# KiCad board dcdc0603.kicad_pcb
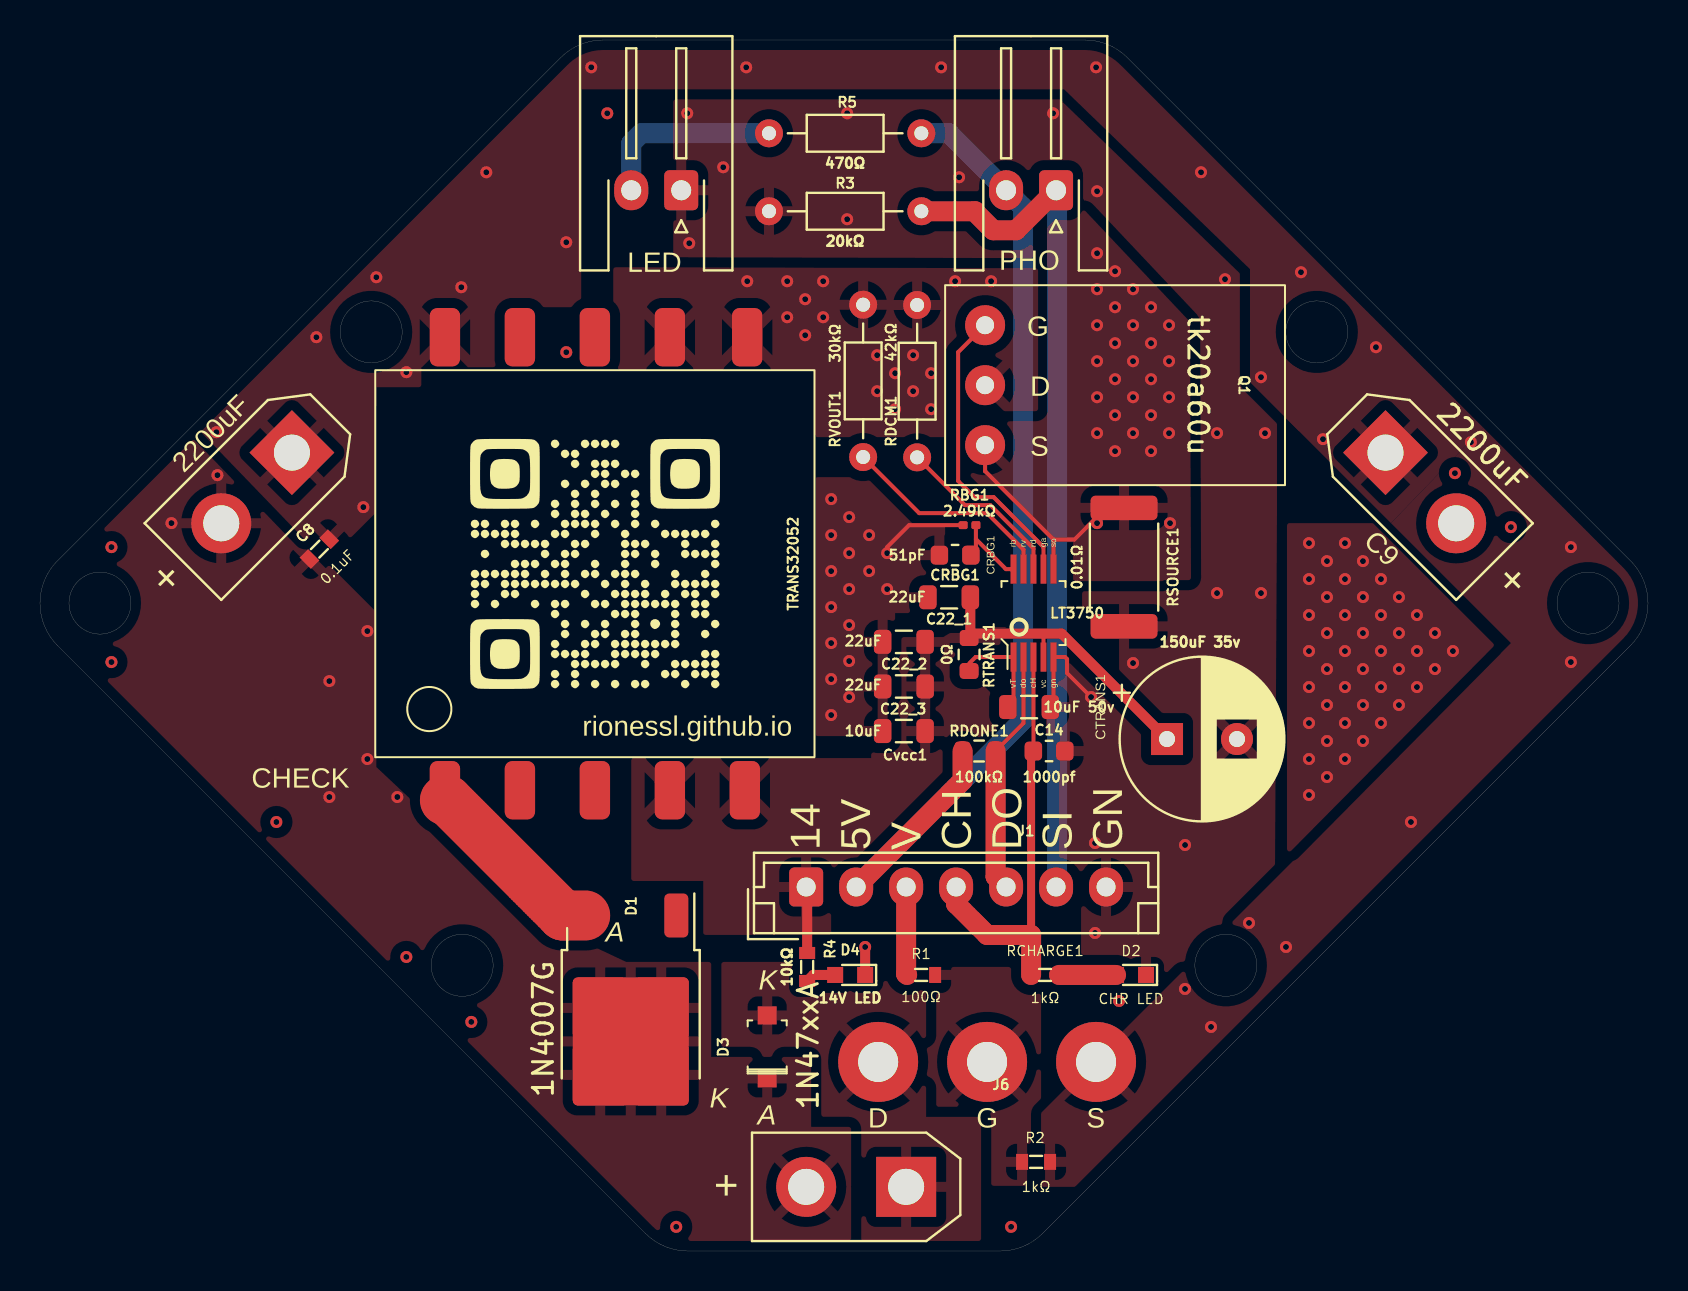
[diagram p0: board, top side]
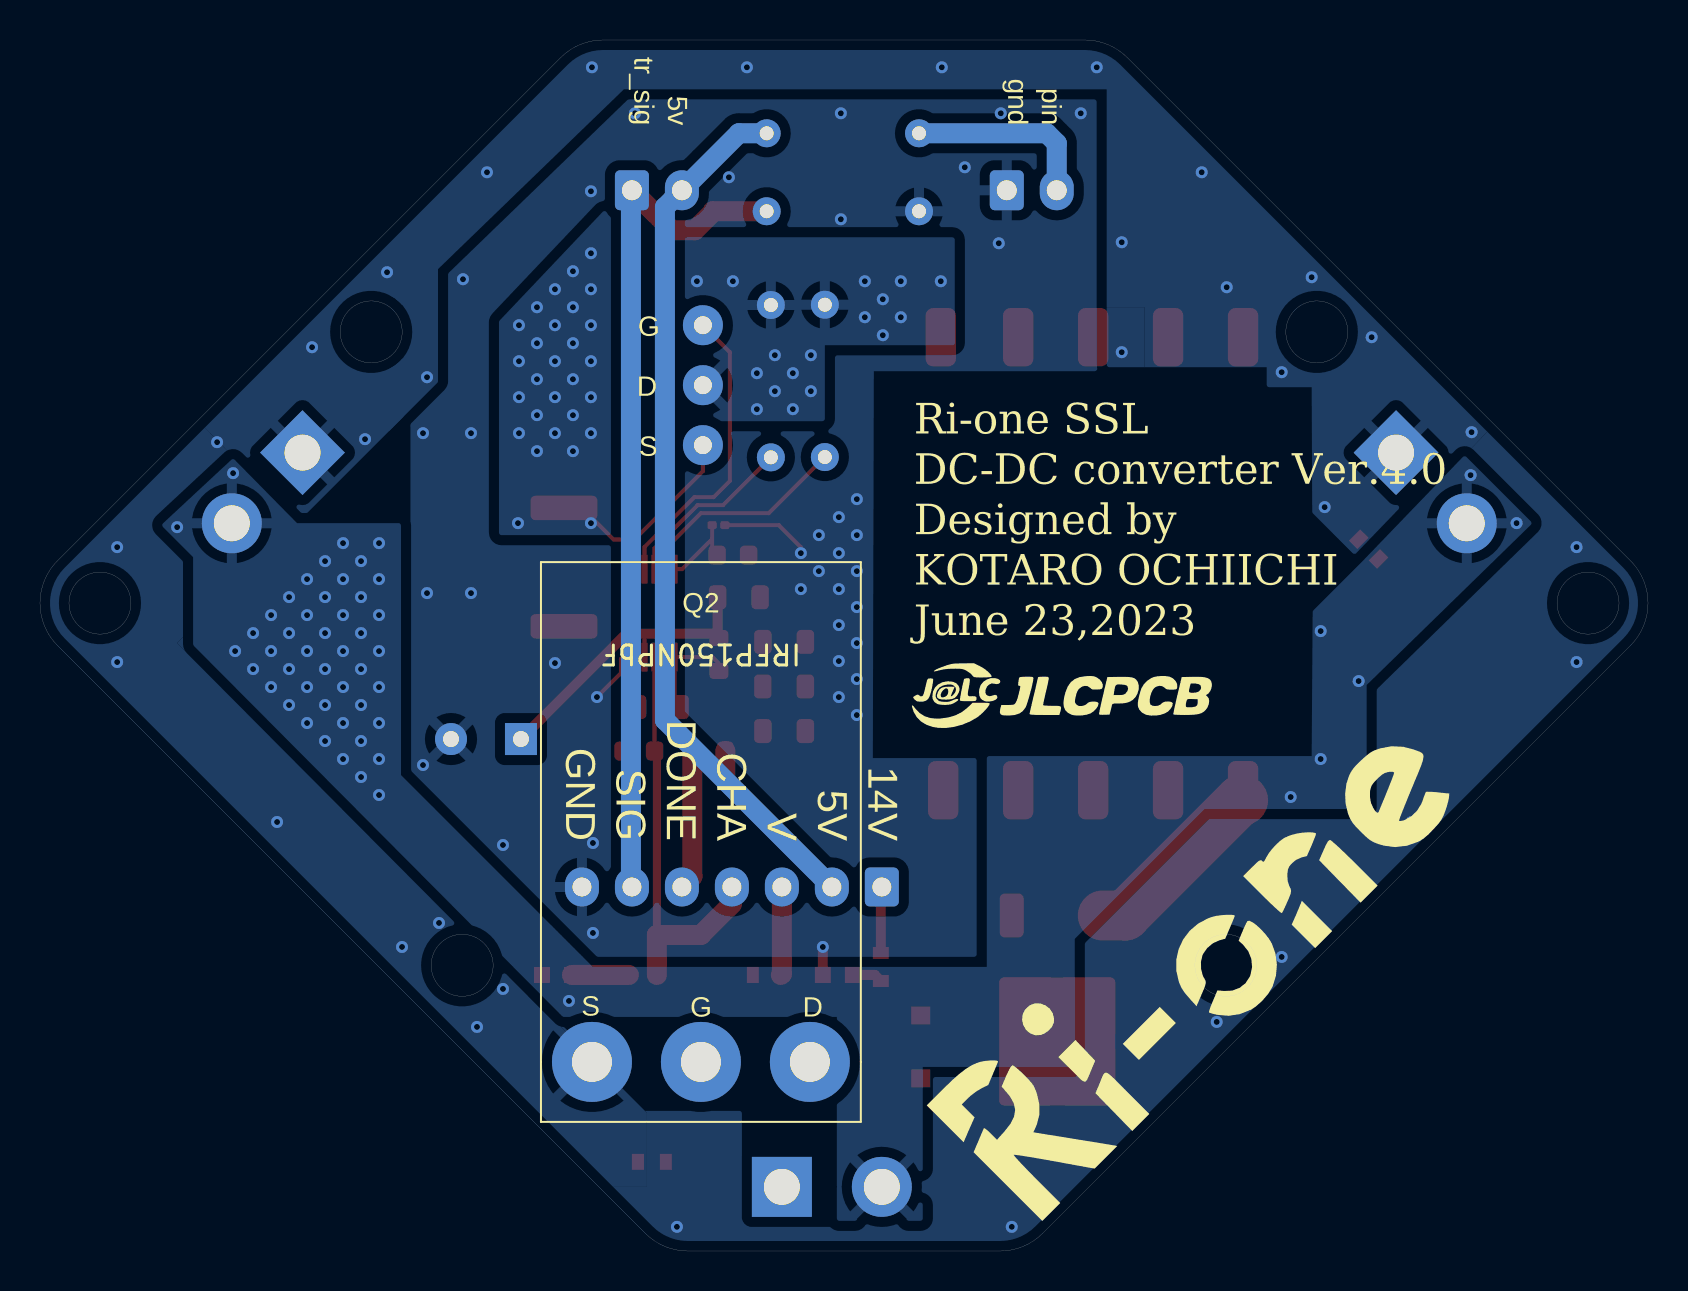
[diagram p1: board, bottom side, seen from below]

Outline 80.43 x 60.58 mm; copper layers: Top, Bottom. Coordinates in mm from the lower left corner of the outline.
Outline path: circle c3,32.41 r1.55 ; circle c16.57,45.97 r1.55 ; circle c21.12,14.29 r1.55 ; circle c59.32,14.29 r1.55 ; circle c63.87,45.97 r1.55 ; circle c77.43,32.41 r1.55 ; 0.88,30.29 arc(0,32.41) 0.88,34.53 26.05,59.7 arc(27.02,60.35) 28.17,60.58 52.27,60.58 arc(53.41,60.35) 54.39,59.7 70.67,43.41 79.55,34.53 arc(80.43,32.41) 79.55,30.29 63.43,14.16 50.15,0.88 arc(49.17,0.23) 48.03,0 32.41,0 arc(31.26,0.23) 30.29,0.88 0.88,30.29
Stack: Top 0.035mm / dielectric 1.51mm FR4 er 4.5 / Bottom 0.035mm

## Placement (name value [footprint] x y rotation side)
C6  150uF 35v  [CP_Radial_D8.0mm_P3.50mm]  56.37 25.61 0 top
C8  0.1uF  [0603]  13.97 35.11 225 top
C9  2200uF  [AMASS_XT30UPB-F_1x02_P5.0mm_Vertical]  67.3 39.94 315 top
C14  1000pf  [L_0603_1608Metric]  50.47 25.01 0 top
C22_1  22uF  [L_0805_2012Metric]  43.21 30.47 180 top
C22_2  22uF  [L_0805_2012Metric]  45.47 32.7 180 top
C22_3  22uF  [L_0805_2012Metric]  43.21 28.24 180 top
CRBG1  51pF  [L_0603_1608Metric]  45.77 34.81 180 top
CTRANS1  10uF 50v  [L_0805_2012Metric]  49.47 27.21 180 top
Cvcc1  10uF  [L_0805_2012Metric]  43.21 26.01 180 top
D1  1N4007G  [TO-252-2]  29.55 11.74 270 top
D2  CHR LED  [LED_0603]  54.57 13.81 180 top
D3  1N47xxA  [SOD-123]  36.37 10.21 90 top
D4  14V LED  [LED_0603]  40.52 13.81 180 top
G***  LOGO  [qr1]  27.75 34.38 0 top
G***#2  LOGO  [rione1]  22.57 15.01 135 bottom
G***#3  LOGO  [jlc4]  29.32 27.81 180 bottom
J1  Conn_01x07_Pin  [JST_EH_B7B-EH-A_1x07_P2.50mm_Vertical]  38.32 18.21 0 top
J3  Conn_01x02_Pin  [JST_XH_S2B-XH-A-1_1x02_P2.50mm_Horizontal]  32.07 53.06 180 top
J5  Conn_01x02_Pin  [AMASS_XT30UPB-F_1x02_P5.0mm_Vertical]  12.6 39.94 225 top
J6  Conn_01x02_Pin  [AMASS_XT30UPB-F_1x02_P5.0mm_Vertical]  43.32 3.21 180 top
J7  Conn_01x02_Pin  [JST_XH_S2B-XH-A-1_1x02_P2.50mm_Horizontal]  50.82 53.06 180 top
LT3750  ~  [MSOP-10_W3mm]  49.69 31.91 0 top
Q1  -  [tk20a60u]  53.27 43.31 270 top
Q2  -  [IRFP150NPbF]  47.37 9.46 180 bottom
R1  100Ω  [0603]  44.07 13.81 0 top
R2  1kΩ  [0603]  49.82 4.46 180 top
R3  20kΩ  [R_Axial_DIN0204_L3.6mm_D1.6mm_P7.62mm_Horizontal]  44.08 52.01 180 top
R4  10kΩ  [0603]  38.37 14.21 270 top
R5  470Ω  [R_Axial_DIN0204_L3.6mm_D1.6mm_P7.62mm_Horizontal]  44.08 55.91 180 top
RBG1  2.49kΩ  [R_0201_0603Metric]  46.49 36.31 180 top
RCHARGE1  1kΩ  [0603]  50.27 13.81 180 top
RDCM1  42kΩ  [R_Axial_DIN0204_L3.6mm_D1.6mm_P7.62mm_Horizontal]  43.87 39.7 90 top
RDONE1  100kΩ  [R_0603_1608Metric]  46.97 25.01 0 top
RSOURCE1  0.01Ω  [R_2512_6332Metric]  54.22 34.21 90 top
RTRANS1  0Ω  [R_0603_1608Metric]  46.47 29.84 270 top
RVOUT1  30kΩ  [R_Axial_DIN0204_L3.6mm_D1.6mm_P7.62mm_Horizontal]  41.17 39.71 90 top
TRANS32052  ~  [32052]  27.75 34.38 90 top

## Library data of the parts
C6 C8 C9 C14 C22_1-C22_3 CRBG1 CTRANS1 Cvcc1 = -: Description: Unpolarized capacitor
D1 = -: Description: 100V 0.3A Small Signal Fast Switching Diode, DO-35; Sim.Device: D; Sim.Pins: 1=K 2=A
D2 D4 = -: Description: Light emitting diode
D3 = -: Description: 1300mW Silicon planar power Zener diodes, DO-41
J1 = -: Description: Generic connector, single row, 01x07, script generated
J3 J5-J7 = -: Description: Generic connector, single row, 01x02, script generated
Q1 Q2 = -: Description: 0.2A Id, 200V Vds, N-Channel MOSFET, 2.6V Logic Level, TO-92
R1-R5 RBG1 RCHARGE1 RDCM1 RDONE1 RSOURCE1 RTRANS1 RVOUT1 = -: Description: Resistor

## Footprints (pads in the part's own frame, mm; a bottom-side part is the same pattern mirrored in y, then rotated)
0603
  rect 0.6x0.8 smd: 1(-0.7,0) 2(0.7,0)
32052
  rrect 2.92x1.52 smd: 1(-11.33,7.5) 2(-11.33,3.75) 3(-11.33,0) 4(-11.33,-3.75) 5(-11.33,-7.5) 6(11.33,-7.62) 7(11.33,-3.75) 8(11.33,0) 9(11.33,3.75) 10(11.33,7.5)
AMASS_XT30UPB-F_1x02_P5.0mm_Vertical
  rect 3x3 hole 1.8: 1(0,0)
  round 3 hole 1.8: 2(5,0)
CP_Radial_D8.0mm_P3.50mm
  rect 1.6x1.6 hole 0.8: 1(0,0)
  round 1.6 hole 0.8: 2(3.5,0)
IRFP150NPbF
  round 4 hole 2: 1(-5.45,0) 2(0,0) 3(5.45,0)
JST_EH_B7B-EH-A_1x07_P2.50mm_Vertical
  rrect 1.7x1.95 hole 0.95: 1(0,0)
  oval 1.7x1.95 hole 0.95: 2(2.5,0) 3(5,0) 4(7.5,0) 5(10,0) 6(12.5,0) 7(15,0)
JST_XH_S2B-XH-A-1_1x02_P2.50mm_Horizontal
  rrect 1.7x2 hole 1: 1(0,0)
  oval 1.7x2 hole 1: 2(2.5,0)
L_0603_1608Metric
  rrect 0.875x0.95 smd: 1(-0.787,0) 2(0.787,0)
L_0805_2012Metric
  rrect 0.875x1.2 smd: 1(-1.062,0) 2(1.062,0)
LED_0603
  rect 0.8x0.8 smd: 1(-0.75,0) 2(0.75,0)
MSOP-10_W3mm
  rect 0.3x1.45 smd: 1(-1,-2.2) 2(-0.5,-2.2) 3(0,-2.2) 4(0.5,-2.2) 5(1,-2.2) 6(-1,2.2) 7(-0.5,2.2) 8(0,2.2) 9(0.5,2.2) 10(1,2.2)
R_0201_0603Metric
  rrect 0.318x0.36 smd: (-0.345,0) (0.345,0)
  rrect 0.46x0.4 smd: 1(-0.32,0) 2(0.32,0)
R_0603_1608Metric
  rrect 0.8x0.95 smd: 1(-0.825,0) 2(0.825,0)
R_2512_6332Metric
  rrect 1.225x3.35 smd: 1(-2.962,0) 2(2.962,0)
R_Axial_DIN0204_L3.6mm_D1.6mm_P7.62mm_Horizontal
  round 1.4 hole 0.7: 1(0,0)
  oval 1.4x1.4 hole 0.7: 2(7.62,0)
SOD-123
  rect 0.9x0.95 smd: 1(-1.575,0) 2(1.575,0)
tk20a60u
  round 2 hole 0.9: 1(-3,-6) 3(3,-6) 4(0,-6)
TO-252-2
  rrect 3.05x2.75 smd: 1(-0.415,1.525) 1(-0.415,-1.525) 1(2.935,1.525) 1(2.935,-1.525)
  rrect 6.4x5.8 smd: 1(1.26,0)
  rrect 2.2x1.2 smd: 2(-5.04,-2.28) 3(-5.04,2.28)

## Nets
14v: C6.1 C22_1.1 C22_2.1 C22_3.1 Cvcc1.1 J1.1 LT3750.4 R4.1 RTRANS1.1 TRANS32052.4 TRANS32052.5
+5V: J1.2 J7.2 R5.1 RDONE1.1
GND: C6.2 C14.2 C22_1.2 C22_2.2 C22_3.2 CRBG1.2 CTRANS1.1 Cvcc1.2 D2.1 D4.1 J1.7 J3.1 LT3750.5 R3.2 RBG1.2 RSOURCE1.1
GND2: C8.1 C9.1 J5.1 Q2.1 R2.1 TRANS32052.10
/charge: C14.1 J1.4 LT3750.3 RCHARGE1.2
/dcdcOUT: C8.2 C9.2 D1.1 D3.1 J5.2 J6.2
/DONE: J1.5 LT3750.2 RDONE1.2
/drain: Q1.4 RDCM1.2 RVOUT1.2 TRANS32052.6 TRANS32052.7
/drain1: D3.2 J6.1 Q2.3
/gate: LT3750.9 Q1.1
/gate1: Q2.2 R1.2 R2.2
/source: LT3750.10 Q1.3 RSOURCE1.2
/TR_SIG: J1.6 J7.1 R3.1
/v: J1.3 R1.1
Net-(D1-A): D1.2 TRANS32052.1
Net-(D2-A): D2.2 RCHARGE1.1
Net-(D4-A): D4.2 R4.2
Net-(J3-Pin_2): J3.2 R5.2
Net-(LT3750-rbg): CRBG1.1 LT3750.6 RBG1.1
Net-(LT3750-rdcm): LT3750.8 RDCM1.1
Net-(LT3750-rvout): LT3750.7 RVOUT1.1
Net-(LT3750-vtrans): CTRANS1.2 LT3750.1 RTRANS1.2

Pads without a net: D1 3; TRANS32052 2 3 8 9

## Via types
v1: diameter 0.6, hole 0.3, Top to Bottom, 169 vias

## Routing (per net, layer and track width the routed paths; a pad name or vN(x,y) marks a point on that pad's centre or on a via; arc(x,y) is an arc through that point)
14v: length 18.5
  Top w0.2: LT3750.4 50.19,30.68
  Top w0.5: J1.1 38.37,18.16 R4.1 ; C6.1 51.1,30.88 46.69,30.88 RTRANS1.1 46.54,30.73 C22_2.1
+5V: length 53.1
  Top w1: RDONE1.1 46.15,23.53 J1.2
  Bottom w1: J1.2 49.17,26.56 49.17,52.21 J7.2 45.47,55.91 R5.1
GND: length 11.6
  Top w0.2: CTRANS1.1 50.69,27.37 LT3750.5 51.27,29.71 51.37,29.61 51.37,28.91 v1(52.57,27.71) ; RBG1.2 43.47,36.31 42.37,35.21 v1(42.37,34.91)
  Top w0.5: v1(41.27,15.21) D4.1
  vias: v1(28.37,56.91) v1(32.37,56.91) v1(32.47,50.41) v1(34.17,54.21) v1(39.57,37.61) v1(39.57,35.81) v1(39.57,34.01) v1(39.57,32.21) v1(39.57,30.41) v1(39.57,28.61) v1(39.57,26.81) v1(40.37,56.91) v1(40.37,51.61) v1(40.47,36.71) v1(40.47,34.91) v1(40.47,33.11) v1(40.47,31.31) v1(40.47,29.51) v1(40.47,27.71) v1(41.47,35.81) v1(41.47,34.01) v1(42.37,33.11) v1(45.97,53.71) v1(50.67,56.91) v1(52.77,20.41) v1(52.77,15.91) v1(52.87,53.01) v1(54.67,29.41) v1(57.27,20.31) v1(58.87,40.91) v1(58.87,32.91) v1(59.27,48.61) v1(61.07,32.91) v1(61.27,40.91) v1(61.27,24.31)
GND2:
  vias: v1(3.57,35.21) v1(3.57,29.46) v1(8.82,40.96) v1(11.82,21.46) v1(13.82,45.71) v1(16.17,37.21) v1(16.82,48.71) v1(18.32,43.96) v1(18.32,14.71) v1(21.07,48.21) v1(21.57,11.46) v1(22.32,53.96) v1(26.32,50.46) v1(26.32,44.96) v1(27.57,59.21) v1(31.82,1.21) v1(35.32,59.21) v1(45.07,59.21) v1(48.57,1.21) v1(52.82,59.21) v1(57.27,13.11) v1(58.07,53.96) v1(58.57,11.21) v1(60.47,16.41) v1(61.07,43.71) v1(62.32,15.21) v1(63.07,48.96) v1(64.17,40.61) v1(66.82,45.21) v1(68.57,21.46) v1(71.57,40.46) v1(76.57,35.21) v1(76.57,29.46)
/charge: length 21.2
  Top w0.2: LT3750.3 49.69,25.02 C14.1
  Top w0.4: C14.1 49.57,24.9 49.57,15.81
  Top w1: J1.4 45.82,17.36 47.37,15.81 49.57,15.81 RCHARGE1.2
/dcdcOUT:
  vias: v1(6.57,36.41) v1(8.87,38.81) v1(14.47,28.51) v1(14.47,22.71) v1(16.37,31.01) v1(16.37,24.61) v1(17.87,22.71) v1(53.97,12.51) v1(63.47,35.41) v1(63.47,33.61) v1(63.47,31.81) v1(63.47,30.01) v1(63.47,28.21) v1(63.47,26.41) v1(63.47,24.61) v1(63.47,22.81) v1(64.37,34.51) v1(64.37,32.71) v1(64.37,30.91) v1(64.37,29.11) v1(64.37,27.31) v1(64.37,25.51) v1(64.37,23.71) v1(65.27,35.41) v1(65.27,33.61) v1(65.27,31.81) v1(65.27,30.01) v1(65.27,28.21) v1(65.27,26.41) v1(65.27,24.61) v1(66.17,34.51) v1(66.17,32.71) v1(66.17,30.91) v1(66.17,29.11) v1(66.17,27.31) v1(66.17,25.51) v1(67.07,33.61) v1(67.07,31.81) v1(67.07,30.01) v1(67.07,28.21) v1(67.07,26.41) v1(67.97,32.71) v1(67.97,30.91) v1(67.97,29.11) v1(67.97,27.31) v1(68.87,31.81) v1(68.87,30.01) v1(68.87,28.21) v1(69.77,30.91) v1(69.77,29.11) v1(70.67,30.01) v1(70.77,38.91) v1(73.57,36.21)
/DONE: length 12.3
  Top w0.2: 47.8,25.01 49.19,26.4 LT3750.2
  Top w1: J1.5 47.8,18.73 47.8,25.01
/drain:
  vias: v1(35.37,48.51) v1(37.37,48.51) v1(37.37,46.71) v1(38.27,47.61) v1(38.27,45.81) v1(39.17,48.51) v1(39.17,46.71) v1(41.87,44.81) v1(41.87,43.01) v1(42.77,43.91) v1(42.77,42.11) v1(43.67,44.81) v1(43.67,43.01) v1(44.57,43.91) v1(44.57,42.11) v1(45.77,48.51) v1(47.57,48.51)
/gate: length 15.1
  Top w0.2: LT3750.9 50.19,35.22 47.7,37.71 46.74,37.71 45.92,38.52 45.92,44.96 Q1.1
/source: length 11.8
  Top w0.2: 50.69,35.59 LT3750.10 ; 50.69,35.59 47.27,39.01 Q1.3 ; 50.69,35.59 51.74,35.59 53.32,37.17 RSOURCE1.2
  vias: v1(52.87,49.91) v1(52.87,48.11) v1(52.87,46.31) v1(52.87,44.51) v1(52.87,42.71) v1(52.87,40.91) v1(52.87,36.41) v1(53.77,49.01) v1(53.77,47.21) v1(53.77,45.41) v1(53.77,43.61) v1(53.77,41.81) v1(53.77,40.01) v1(54.67,48.11) v1(54.67,46.31) v1(54.67,44.51) v1(54.67,42.71) v1(54.67,40.91) v1(55.57,47.21) v1(55.57,45.41) v1(55.57,43.61) v1(55.57,41.81) v1(55.57,40.01) v1(56.47,46.31) v1(56.47,44.51) v1(56.47,42.71) v1(56.47,40.91) v1(56.52,36.41)
/TR_SIG: length 42.9
  Top w1: J7.1 48.82,51.06 47.68,51.06 46.77,51.97 46.77,52.01 R3.1
  Bottom w1: J1.6 50.87,18.26 50.87,53.01 J7.1
/v: length 4.4
  Top w1: R1.1 43.32,13.86 J1.3
Net-(D1-A): length 9.4
  Top w2.5: D1.2 26.15,16.78 20.38,22.55 20.25,22.55
Net-(D2-A): length 2.8
  Top w1: RCHARGE1.1 D2.2
Net-(D4-A): length 1.5
  Top w0.5: D4.2 38.67,13.81 R4.2
Net-(J3-Pin_2): length 8.8
  Bottom w1: 29.57,53.71 29.57,55.41 30.07,55.91 R5.2
Net-(LT3750-rbg): length 4.1
  Top w0.2: 46.81,35.61 48.31,34.11 LT3750.6 ; 46.81,35.61 46.81,35.06 CRBG1.1 ; 46.81,35.61 RBG1.1
Net-(LT3750-rdcm): length 8.7
  Top w0.2: RDCM1.1 46.26,37.31 47.54,37.31 49.69,35.15 LT3750.8
Net-(LT3750-rvout): length 10.9
  Top w0.2: LT3750.7 49.19,35.08 47.37,36.91 43.98,36.91 RVOUT1.1
Net-(LT3750-vtrans): length 4.5
  Top w0.2: 48.61,27.61 48.69,27.69 LT3750.1 46.8,29.71 46.47,29.38

## Copper pours and planes (outline as drawn; the poured copper is in the pictures)
14v on Top: 42.87,30.71 45.17,30.71 45.67,31.01 45.67,31.21 48.37,31.21 48.37,29.21 48.32,18.21 39.57,18.21 39.57,15.81 33.17,15.81 33.17,18.51 29.57,18.51 29.57,24.66 41.57,24.66 41.57,31.21 42.87,31.21 ; 1 cut-out
GND on Top: 52.22,57.11 52.22,53.71 49.67,53.71 49.67,49.61 52.22,49.61 52.22,49.21 31.67,49.11 31.67,58.11 51.22,58.11
GND on Top: 43.97,37.01 46.47,37.01 46.47,35.81 45.77,35.81 45.77,34.01 45.07,34.01 45.07,31.91 42.77,31.91 42.77,25.01 41.37,25.01 41.37,25.76 38.77,25.76 38.77,38.71 42.27,38.71 ; 1 cut-out
GND on Top: 60.52,49.11 60.52,43.46 61.87,42.21 61.87,37.01 61.77,18.91 56.12,13.31 55.27,13.31 55.07,13.41 54.82,13.41 54.82,14.21 52.07,14.31 52.07,18.81 50.32,18.71 50.32,19.46 50.97,19.46 50.97,24.26 50.32,24.26 50.32,30.21 52.12,30.21 52.12,57.21 ; 1 cut-out
GND on Bottom: 52.12,57.21 61.91,47.38 61.87,14.51 33.07,14.51 33.07,24.66 38.77,24.66 38.72,44.01 27.42,44.01 27.42,58.11 51.22,58.11
GND2 on Top, Bottom: 73.57,30.41 50.07,6.91 50.07,3.21 83.07,3.21 83.07,41.91 72.87,41.91 67.57,36.41
GND2 on Top, Bottom: 74.47,43.56 67.57,36.41 62.25,41.73 62.32,47.37 51.22,58.11 27.07,58.11 27.07,47.21 25.17,47.21 25.17,44.21 19.07,44.21 19.07,43.21 16.82,43.21 16.8,36.93 14.32,34.46 7.57,41.46 7.57,63.86 74.67,63.91
GND2 on Top, Bottom: 62.97,41.01 60.52,43.46 60.52,49.41 62.97,48.11
GND2 on Bottom: 25.17,47.21 25.17,44.21 27.07,44.21 27.07,47.21
GND2 on Bottom: 84.67,43.81 84.82,-1.49 -4.43,-1.49 -4.43,43.46 7.57,43.46 7.57,41.46 14.32,34.46 16.77,32.01 16.82,24.66 19.57,24.66 32.57,11.81 32.57,11.71 37.57,11.71 41.57,14.71 54.57,14.71 55.45,15.74 58.27,12.91 60.67,15.41 57.36,18.71 64.57,26.46 64.57,27.01 69.17,31.61 69.17,34.91 67.37,36.61 64.42,39.56 64.17,40.61 67.62,43.86 ; 2 cut-outs
/dcdcOUT on Top: 40.57,-0.54 40.57,6.21 38.57,6.21 38.57,9.71 33.57,9.71 33.57,14.46 29.32,14.46 25.07,16.46 16.82,24.21 16.77,32.01 14.32,34.46 7.57,41.46 -2.48,41.46 -2.43,-0.54
/dcdcOUT on Top: 62.37,36.41 62.37,19.81 72.77,30.31 66.67,36.41
/dcdcOUT on Bottom: 30.07,22.11 22.17,22.11 30.07,14.21
/dcdcOUT on Bottom: 70.77,39.66 67.57,36.41 62.37,36.41 62.37,23.81 52.77,14.21 33.07,14.21 33.07,24.76 16.82,24.76 16.77,32.01 14.32,34.46 9.17,39.81 5.77,36.41 14.07,28.31 14.07,22.11 28.67,22.11 28.67,9.21 36.27,9.21 36.27,1.51 40.57,1.51 40.57,11.71 54.27,11.71 72.77,30.31 72.77,34.71 74.37,36.31
/drain on Top: 49.92,49.16 49.92,42.01 45.32,42.01 45.32,40.71 38.77,40.71 38.72,44.06 27.17,44.06 27.17,47.61 28.67,47.61 28.67,49.21
/drain on Bottom: 48.67,41.51 41.17,41.51 41.17,45.31 34.67,45.31 34.67,50.71 48.67,50.71
/drain1 on Top: 33.57,14.46 33.57,9.71 38.57,9.71 38.57,6.21 40.57,6.21 40.57,-0.54 47.07,-0.54 47.07,6.71 44.32,6.71 44.32,14.46
/gate1 on Top: 50.07,3.71 49.37,3.71 49.37,3.26 47.07,3.26 47.07,6.71 44.32,6.71 44.32,14.21 50.07,14.21
/source on Top: 57.52,46.48 57.57,33.56 56.22,33.56 56.17,33.51 51.67,33.51 51.67,35.46 45.92,35.46 45.92,42.06 49.17,42.06 49.17,49.41 50.07,49.41 50.37,48.91 50.37,52.41 51.92,52.41
/source on Bottom: 51.97,52.31 57.47,46.51 57.47,35.81 51.47,35.81 51.47,52.31

Small or netless copper shapes (teardrops, artwork), in the pictures only: 2 on Top

## Text on the board
B.Silkscreen: D | G | S | pin / gnd | 5v / tr_sig | 14V / 5V / V / CHA / DONE / SIG / GND | Ri-one SSL / DC-DC converter Ver.4.0 / Designed by / KOTARO OCHIICHI / June 23,2023
F.Silkscreen: rb / rv / rd / ga / so | vT / do / cH / vc / gn | LED | PHO | CHECK | rionessl.github.io | D | G | S | A | K | 2200uF | 14 / 5V / V / CH / DO / SI / GN
